# Altium PCB AIM2 REVB.PcbDoc (part 3 of 4)
Units mil, origin at the board's own origin, x right, y up, seen from the top; angles counter-clockwise.
Board outline 3797.01 x 3628.62 mil, 8 copper layers (TOP Copper, Internal Plane 2, Inner Layer 1, Internal Plane 4, Internal Plane 3, Inner Layer 2, Internal Plane 1, BOT Copper), stack 61.4 mil thick; 240 components, 185 nets, 1122 pads, 620 vias.
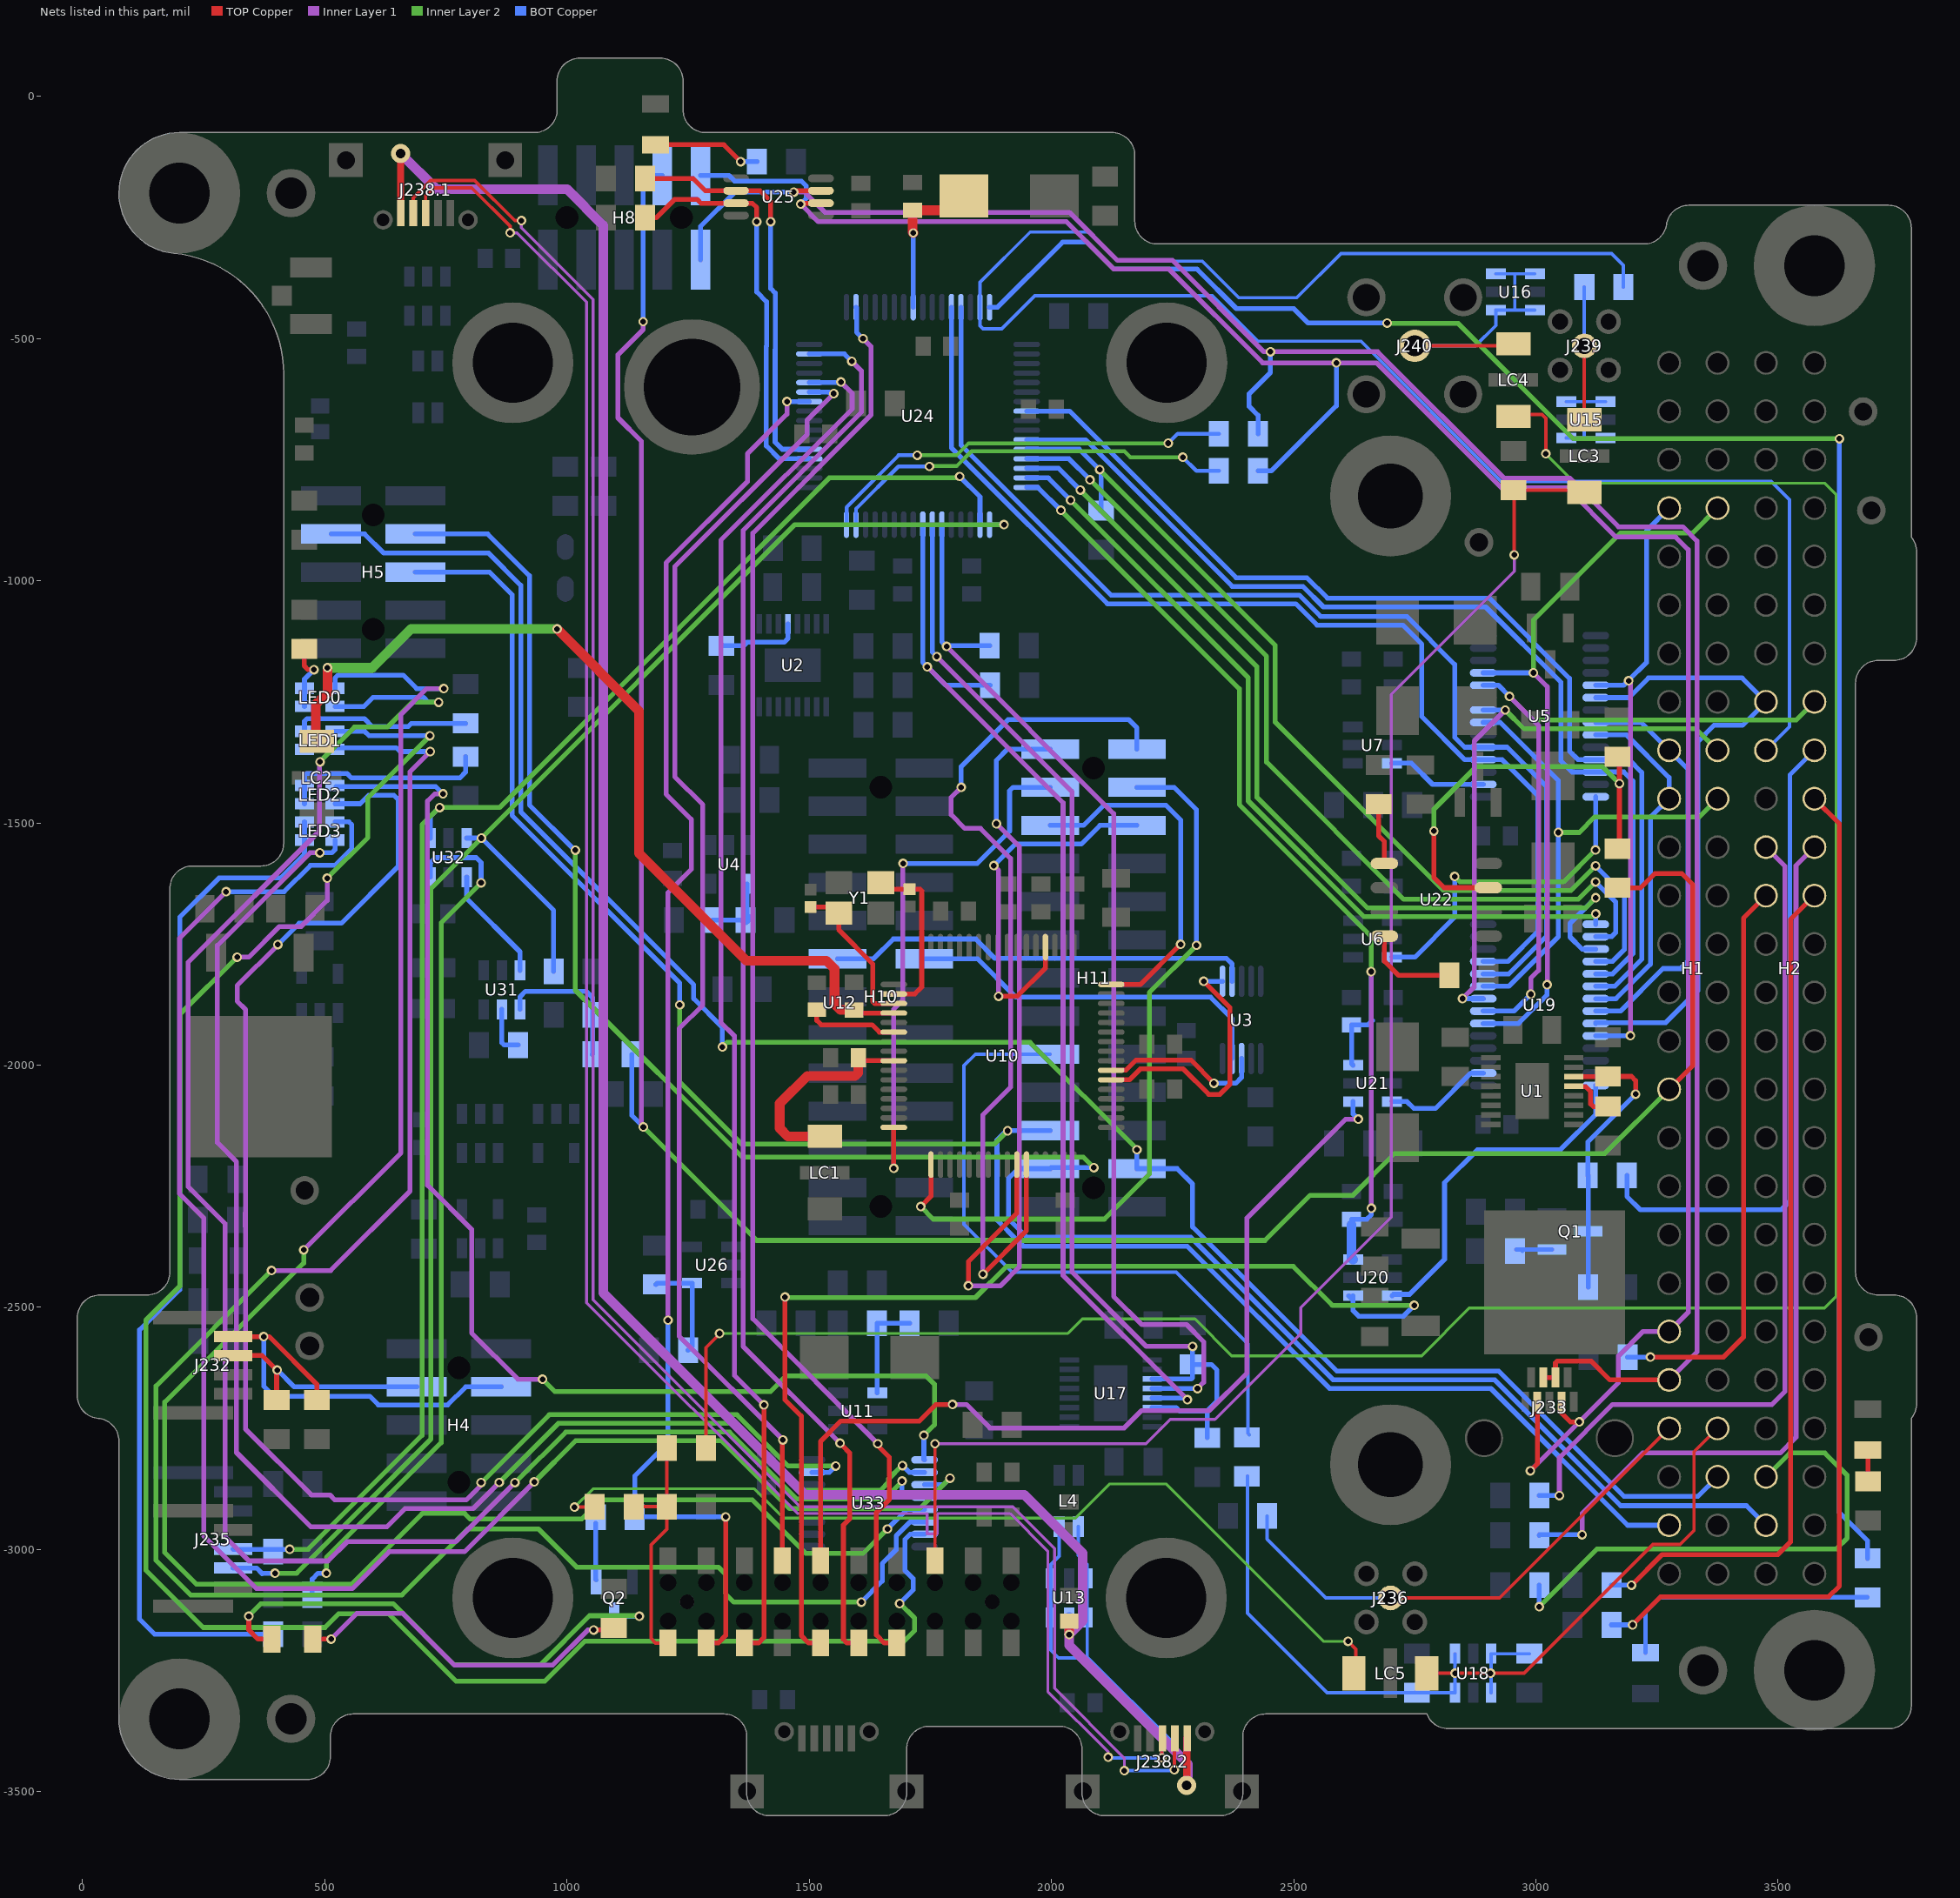
[diagram p9: the nets of this part, all layers, seen from the top]

## Via types
v1: diameter 19.68, hole 11.81, TOP Copper to BOT Copper, tented both sides, 337 vias
v2: diameter 30, hole 20, TOP Copper to BOT Copper, tented bottom, 144 vias
v3: diameter 39.37, hole 19.68, TOP Copper to BOT Copper, tented both sides, 83 vias
v4: diameter 30, hole 20, TOP Copper to BOT Copper, tented both sides, 56 vias

## Nets (pads, with @x,y where several pads share a name; then routed paths per layer and width w, separated by ;. In a path a pad name is that pad's centre, name@x,y a point inside that pad or via, vN(x,y) a via of type N, cw(c..) or ccw(c..) an arc to the next point about the centre after c; other vN are vias at no path point) (continued)
GPS_EVENT1: U12.9 U24.47 | length 2971.7
  TOP Copper w10: v1@1563.5,-2784.62 1567.5,-2784.62 1583.5,-2800.62 1583.5,-2936.62 1570.5,-2949.62 1570.5,-3185.62 1577.94,-3193.06 U12.9@1602.12,-3193.06
  Inner Layer 1 w10: v1(1563.5,-2780.62) 1363.35,-2580.46 1363.35,-896.23 1607.5,-652.08 1607.5,-566.5 v1(1588,-547)
  BOT Copper w10: U24.47@1500.09,-531.67 1572.67,-531.67 v1(1588,-547)
GPS_EVENT2: U12.7 U24.50 | length 3028.4
  TOP Copper w10: v1@1641.5,-2785.62 1665.5,-2809.62 1665.5,-2896.62 1638.5,-2923.62 1638.5,-3176.62 1654.94,-3193.06 U12.7@1680.82,-3193.06
  Inner Layer 1 w10: v1(1611,-500) 1627.5,-516.5 1627.5,-657.53 1383.5,-901.53 1383.5,-2523.62 v1(1641.5,-2781.62)
  BOT Copper w10: U24.50@1596.55,-435.21 1597.74,-436.4 1597.74,-486.74 v1(1611,-500)
GPS_MUX_A0: U19.17 U24.14 | length 1883.8
  Inner Layer 2 w10: v1(2059.5,-812.62) 2424,-1177.12 2424,-1447 2652.62,-1675.62 3102.5,-1675.62 v1(3123.5,-1654.62)
  BOT Copper w10: U24.14@1948.91,-767.89 2014.77,-767.89 v1(2059.5,-812.62) ; v1(3123.5,-1654.62) 3070.5,-1707.62 3070.5,-1735.62 3095.35,-1760.46 U19.17@3123.65,-1760.46
GPS_MUX_A1: U19.16 U24.13 | length 1860.2
  Inner Layer 2 w10: v1(2079.5,-791.62) 2444,-1156.12 2444,-1374.41 2727.21,-1657.62 3087.36,-1657.62 v1(3123.36,-1621.62)
  BOT Copper w10: U24.13@1948.91,-748.2 2036.09,-748.2 v1(2079.5,-791.62) ; v1(3123.36,-1621.62) 3164.5,-1662.76 3164.5,-1726.62 3156.5,-1734.62 3123.9,-1734.62 U19.16@3123.65,-1734.87
GPS_MUX_A2: U19.15 U24.15 | length 1723.2
  Inner Layer 2 w10: v1(2039.5,-833.62) 2406,-1200.12 2406,-1454.46 2645.17,-1693.62 3117.65,-1693.62 v1(3123.65,-1687.62)
  BOT Copper w10: U24.15@1948.91,-787.57 1993.46,-787.57 v1(2039.5,-833.62) ; U19.15@3123.65,-1709.28 v1(3123.65,-1687.62)
GPS_MUX_EN: R59.2 U19.18 U24.12 | length 2019
  Inner Layer 2 w10: v1(2099.5,-770.62) 2462,-1133.12 2462,-1292 2809.62,-1639.62 3072.22,-1639.62 v1(3123.22,-1588.62)
  BOT Copper w10: U24.12@1948.91,-728.52 2057.4,-728.52 v1(2099.5,-770.62) 2102.35,-773.46 2102.35,-853.42 R59.2@2100.5,-855.27 ; v1(3123.22,-1588.62) 3182.5,-1647.91 3182.5,-1761.62 3158.5,-1785.62 3124.08,-1785.62 U19.18@3123.65,-1786.05
GPS_RXD2: U12.15 U24.44 | length 2853
  TOP Copper w10: U12.15@1366.02,-3193.06 1395.07,-3193.06 1406.5,-3181.62 v1(1406.5,-2701.62)
  Inner Layer 1 w10: v1(1406.5,-2701.62) 1345.35,-2640.46 1345.35,-1939.35 1317.66,-1911.66 1317.66,-916.46 1588.5,-645.62 1588.5,-612.83 v1(1565.4,-589.72)
  BOT Copper w10: U24.44@1500.09,-590.72 v1@1557.4,-590.72
GPS_TXD2: U12.14 U24.43 | length 2727.4
  TOP Copper w10: U12.14@1444.72,-3023.06 1444.72,-2774.4 v1(1445.5,-2773.62)
  Inner Layer 1 w10: v1(1445.5,-2773.62) 1231.35,-2559.46 1231.35,-1924.65 1280.19,-1875.81 1280.19,-1462.31 1222.5,-1404.62 1222.5,-970.62 1495.5,-697.62 1495.5,-668.62 v1(1550.5,-613.62)
  BOT Copper w10: U24.43@1500.09,-610.41 1540.29,-610.41 v1@1546.5,-616.62
GPS_UART_EN: C40.2 C42.2 U20.6 U21.6 U24.16 | length 2171.8
  Inner Layer 1 w10: v1(2660,-1807) 2660.5,-1807.5 v1(2660.5,-2295.62)
  Inner Layer 2 w10: v1(2019.5,-854.62) 2388,-1223.12 2388,-1461.91 2660,-1733.91 v1(2660,-1807)
  BOT Copper w10: U24.16@1948.91,-807.26 1972.14,-807.26 v1(2019.5,-854.62) ; C40.2@2619.5,-2329.98 C40.2@2619.5,-2318.2 2650.93,-2318.2 2660.5,-2308.62 v1(2660.5,-2295.62) ; U21.6@2622.5,-2000.22 2619.5,-1997.22 C42.2@2619.5,-1917.2 2652.93,-1917.2 2662.5,-1907.62 2660,-1905.12 v1(2660,-1807)
  BOT Copper w20: C40.2@2619.5,-2329.98 2619.5,-2398.22 U20.6@2622.5,-2401.22
GPS_USB_D_N: J238.1.2 J238.2.2 L4.1 U13.3 U13.4 | length 5028.8
  TOP Copper w7: J238.1.2@682.41,-241 682.41,-209.5 718.29,-173.62 809.37,-173.62 892.11,-256.36 v1(905.77,-256.36) ; v1(2253.59,-3454.71) J238.2.2@2253.59,-3390
  Inner Layer 1 w6: v1(905.77,-256.36) 905.77,-270.72 1054.05,-419 1054.05,-2484.17 1481.5,-2911.62 1920.3,-2911.62 2006.5,-2997.82 2006.5,-3286.5 2150.5,-3430.5 v1(2150.5,-3456.62)
  BOT Copper w7: L4.1@2055.19,-2952.77 2055.19,-3011.9 2073.91,-3030.62 U13.3@2073.91,-3059.27 U13.4@2073.91,-3139.98 2073.91,-3222.22 2253.59,-3401.9 v1(2253.59,-3454.71) ; v1(2150.5,-3456.62) v1@2253.59,-3456.62
GPS_USB_D_P: J238.1.3 J238.2.3 L4.4 U13.1 U13.6 | length 5028.8
  TOP Copper w7: J238.1.3@708,-241 708,-205.13 724.5,-188.62 803.16,-188.62 882.5,-267.96 v1(882.5,-281.62) ; v1(2228,-3430.12) J238.2.3@2228,-3390
  Inner Layer 1 w6: v1(882.5,-281.62) 896.87,-281.62 1040.05,-424.8 1040.05,-2489.97 1040.5,-2490.42 1475.71,-2925.62 1712,-2925.62 1722.5,-2925.62 1743.5,-2925.62 1743.5,-2967.25 1764.5,-2967.25 1764.5,-2925.62 1772,-2925.62 1914.5,-2925.62 1992.5,-3003.62 1992.5,-3293.03 2117,-3417.52 v1(2117,-3429)
  BOT Copper w7: L4.4@2015.82,-2952.77 2015.82,-3013.9 1999.1,-3030.62 U13.1@1999.1,-3059.27 U13.6@1999.1,-3139.98 1999.1,-3208.22 2014.5,-3223.62 2054.1,-3223.62 2228,-3397.52 v1(2228,-3430.12) 2117,-3430.12 2115.12,-3430.12 2116.23,-3429 v1(2117,-3429)
IO.24: H2.24 R18.1 | length 1761.6
  TOP Copper w10: v1(3197.5,-3073.62) 3260.5,-3010.62 3499.5,-3010.62 3525.5,-2984.62 3525.5,-1699.5 H2.24@3575,-1650
  BOT Copper w10: R18.1@3155.86,-3073.62 v1(3197.5,-3073.62)
IO.25: H2.23 R19.1 | length 1186.2
  TOP Copper w10: v1@3237.5,-2602.62 3387.5,-2602.62 3428.5,-2561.62 3428.5,-1696.5 H2.23@3475,-1650
  BOT Copper w10: R19.1@3189.21,-2602.62 v1(3236.5,-2602.62)
IO.26: H2.22 R20.1 | length 1873.7
  Inner Layer 1 w10: v1(3095.5,-2969.62) 3095.5,-2925.62 3220.5,-2800.62 3504.5,-2800.62 3537,-2768.13 3537,-1588 H2.22@3575,-1550
  BOT Copper w10: R20.1@3006.86,-2970.62 3007.86,-2969.62 v1(3095.5,-2969.62)
IO.27: H2.21 R21.1 | length 1782
  Inner Layer 1 w10: v1(3048.5,-2888.62) 3048.5,-2810.47 3158.36,-2700.62 3487.38,-2700.62 3514,-2674 3514,-1589 H2.21@3475,-1550
  BOT Copper w10: R21.1@3006.86,-2888.62 v1(3048.5,-2888.62)
IO.28: H2.20 R22.1 | length 2150.7
  TOP Copper w10: v1(3199.5,-3155.62) 3257.5,-3097.62 3604.5,-3097.62 3626.5,-3075.62 3626.5,-1501.5 H2.20@3575,-1450
  BOT Copper w10: R22.1@3155.86,-3155.62 v1(3199.5,-3155.62)
IO.30: H2.18 R3.1 | length 1350.4
  BOT Copper w9: 3524.5,-1867.62 3524.5,-1400.5 H2.18@3575,-1350
  BOT Copper w10: R3.1@3187.86,-2227.62 3187.86,-2270.98 3215.5,-2298.62 3506.5,-2298.62 3524.5,-2280.62 3524.5,-1867.62
MCU_LED: R56.1 U24.64 | length 4314.8
  Inner Layer 2 w10: v1(2693,-468) 2693.54,-468.54 2839.42,-468.54 3077.5,-706.62 v1(3626.5,-706.62)
  BOT Copper w10: U24.64@1872.14,-435.21 1888.91,-435.21 2023.13,-301 2073.28,-301 2128.91,-356.62 2300.5,-356.62 2381.88,-438 2500,-438 2530,-468 v1(2693,-468) v1@2693,-469.13 ; v1(3626.5,-706.62) 3626.5,-2923.62 3684.5,-2981.62 R56.1@3684.5,-3018.27
MISO0: H2.49 H5.8 H11.24 | length 4483.6
  Inner Layer 2 w10: v1(1017,-1556) 1017,-1845.12 1361.88,-2190 2065.88,-2190 v1(2087.5,-2211.62)
  BOT Copper w10: H5.8@687,-903.26 836.14,-903.26 922.57,-989.68 922.57,-1462.99 1015.58,-1556 v1(1017,-1556) ; v1(2087.5,-2211.62) 1999.58,-2211.62 H11.24@1997.5,-2213.7 1931.43,-2213.7 1911.5,-2233.62 1911.5,-2317.62 1949.5,-2355.62 2287.59,-2355.62 2581.54,-2649.57 2915.05,-2649.57 3175.1,-2909.62 3434.62,-2909.62 H2.49@3475,-2950
MOSI0: H1.48 H5.7 H11.23 | length 4099.1
  Inner Layer 2 w10: v1(1320.5,-1962.62) 1330.13,-1953 1955.88,-1953 v1@2176.5,-2173.62
  BOT Copper w10: H5.7@513,-903.26 582.14,-903.26 621.5,-942.62 837.92,-942.62 904.57,-1009.27 904.57,-1476.99 1261.5,-1833.93 1261.5,-1862.62 1320.5,-1921.62 v1(1320.5,-1962.62) ; H11.23@2176.5,-2213.7 2259.58,-2213.7 2291.5,-2245.62 2291.5,-2334.08 2589,-2631.57 2923.05,-2631.57 3182.1,-2890.62 3334.38,-2890.62 H1.48@3375,-2850 ; H11.23@2176.5,-2213.7 v1(2176.5,-2174.62)
NetC15_2: C15.2 LC1.3 U10.9 | length 442
  TOP Copper w10: C15.2@1603.11,-1990.87 U10.9@1674.57,-1990.87
  TOP Copper w20: LC1.3@1532,-2147 1456,-2147 1439,-2130 1439,-2079 1495.69,-2022.31 1594.69,-2022.31 1601.08,-2015.92 C15.2@1601.08,-1984.62
NetC19_2: C19.2 LC2.3 U10.4 | length 1913
  TOP Copper w10: C19.2@1581.5,-1886.2 1587.76,-1892.45 U10.4@1674.57,-1892.45
  TOP Copper w20: LC2.3@489.5,-1333.76 481.5,-1325.76 481.5,-1254.8 505.35,-1230.96 505.35,-1179.78 v1(505.5,-1179.62) ; v1(979.5,-1099.62) 1148.66,-1268.78 1148.66,-1562.78 1370.5,-1784.62 1535.62,-1784.62 1552.21,-1801.21 1552.21,-1874.21 1564.2,-1886.2 C19.2@1581.5,-1886.2
  Inner Layer 2 w20: v1(505.5,-1179.62) 598.38,-1179.62 678.38,-1099.62 v1(979.5,-1099.62)
NetC29_2: C29.2 U10.2 Y1.1 | length 353.6
  TOP Copper w10: Y1.1@1647.81,-1623.13 1661.47,-1636.78 C29.2@1707,-1636.78 1728.78,-1636.78 1732.2,-1640.2 1732.2,-1838.8 1717.92,-1853.08 U10.2@1674.57,-1853.08
NetC30_2: C30.2 U10.3 Y1.3 | length 320.5
  TOP Copper w10: C30.2@1502.5,-1673.62 1548.7,-1673.62 Y1.3@1561.2,-1686.12 1561.2,-1721.2 1631,-1791 1631,-1868.57 1635.19,-1872.76 U10.3@1674.57,-1872.76
NetH2_47: H2.47 R17.2 | length 1076
  Inner Layer 2 w10: v1(3006.86,-3118.27) 3126.5,-2998.62 3620.5,-2998.62 3642.5,-2976.62 3642.5,-2846.62 3596.5,-2800.62 3524.38,-2800.62 H2.47@3475,-2850
  BOT Copper w10: v1(3006.86,-3118.27) R17.2@3006.86,-3073.62
NetJ238.1_1: J238.1.1 J238.2.1 L3.2 U13.5 | length 4768.4
  TOP Copper w15: v3(656.5,-117.62) 656.5,-240.69 J238.1.1@656.82,-241 ; v3(2279.18,-3486.94) J238.2.1@2279.18,-3390
  TOP Copper w20: v1(2036.5,-3175.62) L3.2@2036.5,-3151.77
  Inner Layer 1 w20: v3(656.5,-117.62) 730.5,-191.62 1000.1,-191.62 1075.05,-266.58 1075.05,-2470.44 1491.74,-2887.12 1944,-2887.12 2064.5,-3007.62 2064.5,-3147.62 v1(2036.5,-3175.62) 2036.5,-3197.62 2279.18,-3440.3 2279.18,-3440.92 2281.43,-3443.18 v3@2281.43,-3486.94
  BOT Copper w20: v1(2036.5,-3175.62) U13.5@2036.5,-3139.98
NetJP4_2: JP4.2 Q1.3 R1.1 R3.2 U1.6 | length 599.9
  TOP Copper w10: U1.6@3077.94,-2024.09 3148.26,-2024.09 JP4.2@3149,-2023.35 3197.35,-2023.35 3206,-2032 v1(3206,-2060)
  BOT Copper w10: R1.1@3108.15,-2458.62 3108.15,-2228.62 R3.2@3107.15,-2227.62 3107.15,-2158.85 v1(3206,-2060)
NetLED0_2: LED0.2 LED0.3 R81.1 | length 141.7
  TOP Copper w10: R81.1@457.5,-1140.98 457.5,-1175.62 465.5,-1183.62 v1(477.5,-1183.62)
  BOT Copper w10: LED0.2@458.01,-1259.32 LED0.3@458.01,-1221.92 458.01,-1203.12 v1(477.5,-1183.62)
NetLED1_2: LED1.2 LED1.3 R80.1 | length 402.8
  BOT Copper w10: LED1.2@458.01,-1348.32 LED1.3@458.01,-1310.92 458.01,-1290.12 463.5,-1284.62 581.5,-1284.62 598.17,-1301.29 671.84,-1301.29 678.8,-1294.33 R80.1@790.5,-1294.33
NetLED2_2: LED2.2 LED2.3 R78.1 | length 433.3
  BOT Copper w10: LED2.2@458.01,-1460.32 LED2.3@458.01,-1422.92 458.01,-1402.12 462.5,-1397.62 545.58,-1397.62 554.94,-1406.98 778.72,-1406.98 790.5,-1395.2 R78.1@790.5,-1363.27
NetLED3_2: LED3.2 LED3.3 R77.1 | length 2149.6
  BOT Copper w10: R77.1@393.15,-3174.62 148.5,-3174.62 117.5,-3143.62 117.5,-2546.62 200.59,-2463.53 200.59,-1694.53 281.5,-1613.62 408.5,-1613.62 458.01,-1564.12 LED3.2@458.01,-1535.32 LED3.3@458.01,-1497.92
NetLED5_1: LED5.1 R7.2 | length 64.4
  TOP Copper w10: R7.2@3685.5,-2859.27 LED5.1@3685.5,-2794.87
NetLED6_1: LED6.1 R30.2 | length 224.1
  TOP Copper w10: LED6.1@1182.5,-99.75 1323.63,-99.75 v1(1358.5,-134.62)
  BOT Copper w10: v1(1358.5,-134.62) R30.2@1392.15,-134.62
NetLED7_2: LED7.2 R56.2 | length 555.3
  BOT Copper w9: LED7.2@3226.5,-3213.5 3226.5,-3128.62 3256.5,-3098.62 R56.2@3684.5,-3098.62
NetLED9_1: LED9.1 Q2.3 | length 1043.6
  TOP Copper w10: v1(343,-3138) 343,-3166 362,-3185 LED9.1@390.87,-3185
  Inner Layer 2 w10: v1@345,-3135 368,-3112 641,-3112 767,-3238 945.16,-3238 1046.38,-3136.78 1147.86,-3136.78 v1(1149.1,-3138.02)
  BOT Copper w10: Q2.3@1097.5,-3138.02 v1(1149.1,-3138.02)
NetLED9_2: LED9.2 R32.1 | length 717.4
  TOP Copper w10: LED9.2@475.13,-3185 v1@509,-3185 ; v1(1055,-3166) 1088.2,-3166 1094.58,-3159.62 R32.1@1096.5,-3161.55
  Inner Layer 1 w10: v1(513,-3185) 566,-3132 661,-3132 768,-3239 970.13,-3239 1043.13,-3166 v1(1055,-3166)
  Inner Layer 2 w10: v1@1054.88,-3166 v1(1055,-3166)
NetQ1_1: Q1.1 R5.2 | length 77.9
  BOT Copper w9: R5.2@2959.86,-2380.62 R5.2@2974.86,-2380.62 ; R5.2@2971.86,-2383.62 R5.2@2974.86,-2380.62 ; Q1.1@3033.5,-2380.62 R5.2@2974.86,-2380.62
NetQ2_1: Q2.1 R33.2 | length 118
  BOT Copper w9: R33.2@1059.15,-2945.62 1059.15,-3062.27 Q2.1@1060.1,-3063.22
NetR6_2: R6.2 U1.5 | length 103.3
  TOP Copper w10: U1.5@3077.94,-2043.78 3078.87,-2044.71 3103.2,-2044.71 3113,-2054.51 3113,-2080 3118.65,-2085.65 R6.2@3149,-2085.65
NetR9_2: R9.2 U2.4 | length 173.2
  BOT Copper w10: R9.2@1319,-1134.21 1364.79,-1134.21 1372,-1127 1448.12,-1127 1456,-1119.12 U2.4@1456,-1089.13
NetR11_1: R11.1 R12.1 U4.4 | length 143.5
  BOT Copper w10: R11.1@1300.86,-1700.62 R12.1@1368.15,-1700.62 ; R12.1@1371.91,-1696.87 U4.4@1371.91,-1625.98
  BOT Copper w20: R12.1@1368.15,-1700.62 R12.1@1371.91,-1696.87
NetR25_2: R25.2 U10.6 | length 191.3
  TOP Copper w10: R25.2@1515.5,-1885.4 1515.5,-1907.62 1524.45,-1916.57 1629.45,-1916.57 1644.7,-1931.82 U10.6@1674.57,-1931.82
NetR28_2: R28.2 R29.1 U11.1 | length 211.4
  BOT Copper w10: U11.1@1640.21,-2676.62 1639.86,-2676.27 R28.2@1639.86,-2532.62 R29.1@1707.15,-2532.62
NetR50_2: R50.2 U22.8 | length 197.8
  TOP Copper w10: U22.8@2687.22,-1733.62 2687.22,-1785.34 2716.5,-1814.62 R50.2@2821.15,-1814.62
NetR61_1: R61.1 R62.1 U26.4 | length 217.9
  BOT Copper w10: R61.1@1183.5,-2452.98 1186.46,-2450.02 U26.4@1258.15,-2450.02 1258.15,-2525.62 1258.15,-2580.33 R62.1@1249.86,-2588.62
NetR70_1: R70.1 U31.5 | length 104.1
  BOT Copper w10: U31.5@865.5,-1884.98 865.5,-1953.62 870.5,-1958.62 R70.1@898.86,-1958.62
NetR71_1: R71.1 R72.1 U31.4 | length 303
  BOT Copper w10: U31.4@902.91,-1884.98 902.91,-1859.22 914.5,-1847.62 1039.5,-1847.62 1052.86,-1860.98 R72.1@1052.86,-1896.62 1052.86,-1976.91 R71.1@1052.15,-1977.62
NetR75_1: R75.1 U32.6 | length 1809.2
  Inner Layer 2 w10: v1(503,-3049) 503,-3016.58 740.05,-2779.53 740.05,-1706.08 v1(822.5,-1623.62)
  BOT Copper w10: R75.1@473.86,-3093.62 473.86,-3061.14 486,-3049 v1(503,-3049) ; U32.6@718.1,-1611.98 718.1,-1582.02 728.5,-1571.62 812.5,-1571.62 822.5,-1581.62 v1(822.5,-1623.62)
NetR83_1: R83.1 U24.31 | length 847.7
  Inner Layer 2 w8: v1(1748,-764) 1749.22,-762.78 1804.85,-762.78 1835.06,-732.57 2150.57,-732.57 2163,-745 v1(2271,-745)
  BOT Copper w8: U24.31@1596.55,-884.03 1596.55,-851.46 1684.02,-764 v1(1748,-764) ; v1(2271,-745) 2299,-773 R83.1@2345.65,-773
NetR84_1: R84.1 U24.32 | length 866.3
  Inner Layer 2 w8: v1(1723,-741) 1804,-741 1829,-716 v1@2240,-716
  BOT Copper w8: U24.32@1576.87,-884.03 1576.87,-848.52 1684.39,-741 v1(1723,-741) ; v1(2241,-716) 2260.68,-696.32 R84.1@2345.65,-696.32
NetU5_2: U5.2 U7.3 | length 206.6
  BOT Copper w10: U7.3@2702.86,-1376.67 2743.1,-1376.67 2786.8,-1420.37 U5.2@2891.36,-1420.37
NetU5_28: U5.28 U6.3 | length 679
  Inner Layer 2 w10: v1@2831.5,-1611.62 v1(2832.5,-1610.62) 2843.5,-1621.62 3057.08,-1621.62 v1(3123.08,-1555.62)
  BOT Copper w10: U6.3@2703.21,-1777.02 2750.1,-1777.02 2832.5,-1694.62 v1@2832.5,-1612.62 ; v1@3123.65,-1555.62 U5.28@3123.65,-1445.96
NetU12_11: U12.11 U20.4 | length 2302
  TOP Copper w10: v1(1450,-2479) 1450,-2691.12 1483.5,-2724.62 1483.5,-3177.62 1498.94,-3193.06 U12.11@1523.42,-3193.06
  Inner Layer 2 w10: v1(1450,-2479) 1451,-2480 1843,-2480 1907.63,-2415.37 2499.16,-2415.37 2579.78,-2496 v1(2749,-2496)
  BOT Copper w10: U20.4@2613.91,-2476.62 2617.91,-2480.62 U20.4@2622.5,-2476.02 2622.5,-2506.62 2634.5,-2518.62 2726.38,-2518.62 v1(2749,-2496)
NetU12_12: U12.12 U21.4 | length 1900.6
  TOP Copper w10: U12.12@1523.42,-3023.06 1523.42,-2776.7 1565.5,-2734.62 1727.5,-2734.62 1761.5,-2700.62 v1(1795.5,-2700.62)
  Inner Layer 1 w10: v1(1795.5,-2700.62) 1824.5,-2700.62 1872.88,-2749 2150.13,-2749 2185.66,-2713.46 2325.66,-2713.46 2403.5,-2635.62 2403.5,-2315.62 2607.5,-2111.62 v1(2633.5,-2111.62)
  BOT Copper w10: U21.4@2622.5,-2075.02 2622.5,-2100.62 v1(2633.5,-2111.62)
NetU19_2: U19.2 U21.3 | length 224.5
  BOT Copper w10: U21.3@2703.21,-2075.02 2733.68,-2075.02 2748.28,-2089.62 2792.5,-2089.62 2865.76,-2016.37 U19.2@2891.36,-2016.37
NetU19_28: U19.28 U20.3 | length 727.8
  BOT Copper w10: U20.3@2703.21,-2476.02 2706.08,-2473.16 2739.19,-2473.16 2811.5,-2400.85 2811.5,-2242.62 2879.5,-2174.62 3050.5,-2174.62 3123.65,-2101.48 U19.28@3123.65,-2041.96
O\N\: R47.2 R48.2 U22.3 | length 897.8
  TOP Copper w10: v1(2789.5,-1516.62) 2789.5,-1612.62 2810.5,-1633.62 U22.3@2901.79,-1633.62 U22.3@2895.95,-1639.46 ; R47.2@3168.5,-1553.27 3172.5,-1549.27 v1(3172.5,-1418.62) 3172.5,-1366.98 R48.2@3168.5,-1362.98
  Inner Layer 2 w10: v1(2789.5,-1516.62) 2789.5,-1471.62 2877.5,-1383.62 3137.5,-1383.62 v1(3172.5,-1418.62)
OFF: U31.3 U32.4 | length 237.9
  BOT Copper w10: U32.4@792.91,-1611.98 792.91,-1656.02 902.91,-1766.02 U31.3@902.91,-1804.27
OFF_VCC: H1.31 H8.7 R47.1 R71.2 | length 5157.2
  TOP Copper w10: R47.1@3173.5,-1633.98 3216.15,-1633.98 3245.5,-1604.62 3301.5,-1604.62 3323.5,-1626.62 3323.5,-2001.5 H1.31@3275,-2050
  Inner Layer 1 w10: v1(1157,-465) 1157,-481.35 1105,-533.35 1105,-663.37 1153.66,-712.04 1153.66,-2123.78 v1(1157.5,-2127.62)
  Inner Layer 2 w10: v1(1157.5,-2127.62) 1391.73,-2361.84 2440.78,-2361.84 2534,-2268.62 2622.5,-2268.62 2708.5,-2182.62 3142.38,-2182.62 H1.31@3275,-2050
  BOT Copper w10: R71.2@1133.5,-1977.62 1133.5,-2103.62 v1(1157.5,-2127.62) ; v1(1157,-465) 1157,-178 1172,-163 H8.7@1196.74,-163
"ON/SNS 3V3_GPS": R43.1 R44.2 U17.3 U17.6 U24.23 | length 2444
  Inner Layer 1 w10: v1(1763.5,-1156.62) 2042.05,-1435.17 2042.05,-2426.71 2195.96,-2580.62 v1(2291.5,-2580.62)
  BOT Copper w10: U24.23@1754.03,-884.03 1754.03,-1147.15 v1(1763.5,-1156.62) ; U17.6@2207.94,-2707.15 2257.5,-2707.15 2264.98,-2714.62 2319.82,-2714.62 2320.16,-2714.96 ; U17.3@2207.94,-2648.09 2288.89,-2648.09 2291.5,-2645.47 R43.1@2291.5,-2617.98 ; v1(2291.5,-2580.62) R43.1@2291.5,-2617.98 ; R44.2@2321.5,-2769.27 2321.5,-2716.31 2320.16,-2714.96 ; R43.1@2291.5,-2617.98 2329.86,-2617.98 2341.5,-2629.62 2341.5,-2693.62 2320.16,-2714.96
PGEC: J235.2 R74.2 U24.17 U32.3 | length 3556.1
  Inner Layer 2 w10: v1(397,-3049.04) 441.84,-3049.04 719.05,-2771.83 719.05,-1635.37 v1(823.15,-1531.27) 1470.39,-884.03 v1(1902.09,-884.03)
  BOT Copper w10: J235.2@310.68,-3038.26 359.14,-3038.26 370.5,-3049.62 371.09,-3049.04 v1(397,-3049.04) ; U32.3@792.91,-1531.27 v1(823.15,-1531.27) 972.15,-1680.27 R74.2@972.15,-1806.62 ; U24.17@1872.14,-884.03 v1(1902.09,-884.03)
PGED: J235.3 R73.1 U24.18 U32.1 | length 3350.2
  Inner Layer 2 w10: v1(427.5,-2999.62) 465.5,-2999.62 700.75,-2764.37 700.75,-1503.37 736.13,-1468 v1(737,-1468) 860.96,-1468 1230.34,-1098.62 1541.41,-787.55 1808.73,-787.55 v1@1810.5,-789.33
  BOT Copper w10: J235.3@310.68,-2998.89 311.41,-2999.62 v1(427.5,-2999.62) ; U32.1@718.1,-1531.27 718.1,-1486.02 736.13,-1468 v1(737,-1468) 741.13,-1468 v1@741.5,-1467.62 ; v1(1810.5,-784.62) 1852.46,-826.57 U24.18@1852.46,-884.03 U24.18@1851.5,-883.08
PPS: H1.46 LC5.3 R14.1 R15.2 R16.2 U18.1 U18.3 U18.4 U18.6 | length 1928.9
  TOP Copper w7: LC5.3@2770.37,-3255.62 LC5.3@2774.5,-3255.62 v1(2906.5,-3255.62) 2975.5,-3255.62 3241.5,-2989.62 3297.76,-2989.62 3326.5,-2960.88 3326.5,-2798.5 H1.46@3375,-2750
  BOT Copper w7: R14.1@2404.5,-2848.62 2404.5,-3131.62 2568.86,-3295.98 R16.2@2754.5,-3295.98 U18.3@2833.1,-3295.98 v1(2833.1,-3255.62) U18.4@2833.1,-3215.27 ; U18.1@2907.91,-3295.98 U18.6@2907.91,-3215.27 R15.2@2986.5,-3215.27
PPS_1: LC4.1 R36.2 | length 5080.7
  TOP Copper w7: R36.2@1286.86,-2790.62 1286.86,-2583.27 1315,-2555.13 v1(1315,-2554) ; LC4.1@2953.5,-656.49 3012.37,-656.49 3020.5,-664.62 v1(3020.5,-737.62)
  Inner Layer 2 w6: v1(1315,-2554) 2034,-2554 2063.84,-2524.16 2296.16,-2524.16 2372,-2600 2764.13,-2600 2862.5,-2501.62 3596.05,-2501.62 3619.5,-2478.17 3619.5,-821.62 3596.5,-798.62 3081.5,-798.62 v1(3020.5,-737.62)
PPS_2: LC5.1 R37.2 | length 1916.6
  TOP Copper w7: v1(1015.5,-2912.62) 1056.15,-2912.62 R37.2@1057.15,-2911.62 ; v1(2612.5,-3189.62) 2628.64,-3205.76 LC5.1@2628.64,-3255.62
  Inner Layer 2 w6: v1(1015.5,-2912.62) 1053.5,-2874.62 1386.5,-2874.62 1447.32,-2935.44 2049.69,-2935.44 2120.5,-2864.62 2236.38,-2864.62 2561.38,-3189.62 v1(2612.5,-3189.62)
PPS_ADCS: H11.18 R14.2 | length 1392.3
  BOT Copper w7: H11.18@1997.5,-1977.48 1843.14,-1977.48 1819.5,-2001.12 1819.5,-2328.39 1918.73,-2427.62 2257.5,-2427.62 2405.5,-2575.62 2405.5,-2760.08 R14.2@2408.6,-2763.17
PPS_CONN: J240.1 LC4.3 U16.1 U16.3 U16.4 U16.6 | length 656.8
  TOP Copper w7: J240.1@2750,-515 2953.26,-515 LC4.3@2953.5,-514.76
  BOT Copper w7: J240.1@2750,-515 2875.13,-515 2917.15,-472.98 U16.1@2917.15,-441.02 2956.5,-441.02 ; U16.3@2917.15,-366.22 2957.5,-366.22 ; U16.6@2997.86,-441.02 2956.5,-441.02 ; U16.4@2997.86,-366.22 2957.5,-366.22 ; 2956.5,-441.02 2956.5,-367.22 2957.5,-366.22
PPS_OUT: R36.1 R37.1 R38.2 U12.19 | length 513.8
  TOP Copper w7: R37.1@1137.86,-2911.62 R38.2@1206.15,-2911.62 ; R36.1@1206.15,-2790.62 R38.2@1206.15,-2911.62 ; U12.19@1208.62,-3193.06 1182.94,-3193.06 1173.5,-3183.62 1173.5,-2990.62 1206.15,-2957.98 R38.2@1206.15,-2911.62
RX0_LED: LED0.4 U33.5 | length 4065.1
  Inner Layer 1 w10: v1(456.5,-2381.5) 657,-2181 657,-1276 710.38,-1222.62 v1(745.5,-1222.62)
  Inner Layer 2 w10: v1(456.5,-2381.5) 456.5,-2408.63 169.5,-2695.62 169.5,-3006.5 235,-3072 555,-3072 701.38,-2925.62 788.5,-2925.62 799.5,-2936.62 1030.5,-2936.62 1069.5,-2897.62 1382.5,-2897.62 1492.5,-3007.62 1611.5,-3007.62 v1(1661.5,-2957.62)
  BOT Copper w10: LED0.4@521,-1221.92 521,-1201.13 527.5,-1194.62 661.5,-1194.62 689.5,-1222.62 v1(745.5,-1222.62) ; v1@1658.5,-2956.62 1662.5,-2956.62 1701.71,-2917.42 U33.5@1738,-2917.42
RX1_LED: LED1.4 U33.7 | length 4219.8
  Inner Layer 1 w10: v1(319,-1777) 343,-1777 406,-1714 451,-1714 505,-1660 v1(505,-1614)
  Inner Layer 2 w10: v1(319,-1777) 200.59,-1895.41 200.59,-2456.53 130.5,-2526.62 130.5,-3042.62 248.88,-3161 500.46,-3161 528.84,-3132.62 631.62,-3132.62 771,-3272 954,-3272 1036.38,-3189.62 1695.5,-3189.62 1717.5,-3167.62 1717.5,-3141.69 1687.44,-3111.62 v1(1686.5,-3111.62) ; v1(505,-1614) 589,-1530 589,-1448 v1(717,-1320)
  BOT Copper w10: LED1.4@521,-1310.92 582.35,-1310.92 591.43,-1320 v1(717,-1320) ; v1(1686.5,-3111.62) 1714.5,-3083.62 1714.5,-3059.94 1697.44,-3042.88 1697.44,-2979.44 1708.29,-2968.6 U33.7@1738,-2968.6
RX2_LED: LED2.4 U33.1 | length 2592.9
  Inner Layer 1 w10: v1(744,-1440) 727,-1440 712,-1455 712,-2248 803,-2339 803,-2553.12 898.5,-2648.62 v1(949.5,-2648.62)
  Inner Layer 2 w10: v1(949.5,-2648.62) 974.5,-2673.62 1420.5,-2673.62 1452.5,-2641.62 1741.5,-2641.62 1758.5,-2658.62 1758.5,-2742.62 v1(1736.68,-2764.45)
  BOT Copper w10: LED2.4@523.06,-1424.98 728.98,-1424.98 v1(744,-1440) ; v1(1736.68,-2764.45) 1736.68,-2813.73 U33.1@1738,-2815.05
RX3_LED: LED3.4 U33.3 | length 3627
  Inner Layer 1 w10: v1(296,-1642) 200.05,-1737.95 200.05,-2265.66 250.5,-2316.11 250.5,-2972.4 359.11,-3081 556.43,-3081 632.81,-3004.62 788.22,-3004.62 v1@932.22,-2860.62
  Inner Layer 2 w10: v1(932.5,-2860.62) 1017.5,-2775.62 1319.5,-2775.62 1459.5,-2915.62 1727.5,-2915.62 v1(1790.5,-2852.62)
  BOT Copper w10: v1(296,-1642) 416,-1642 470.38,-1587.62 520.55,-1587.62 555.65,-1552.52 555.65,-1503.77 549.8,-1497.92 LED3.4@521,-1497.92 ; U33.3@1738,-2866.24 1776.89,-2866.24 v1(1790.5,-2852.62)
RXD0: H10.12 U3.2 | length 888.4
  BOT Copper w10: H10.12@1558.5,-1780.26 1632.87,-1780.26 1673.5,-1739.62 1843.5,-1739.62 1883.5,-1779.62 2361.5,-1779.62 2372.82,-1790.94 U3.2@2372.82,-1826.9
RXD1: H11.6 U10.48 | length 731.6
  TOP Copper w10: U10.48@2123.39,-1833.39 2183.73,-1833.39 v1@2265.5,-1751.62
  BOT Copper w10: H11.6@1997.5,-1505.04 2066.09,-1505.04 2107.5,-1463.62 2236.5,-1463.62 2266.5,-1493.62 v1(2266.5,-1750.62)
RXD2: H11.4 U10.16 | length 1139.1
  TOP Copper w10: v1(1674.57,-2213) U10.16@1674.57,-2128.67
  Inner Layer 1 w10: v1(1674.57,-2213) 1674.57,-1884.43 1693,-1866 v1@1693,-1583.62
  BOT Copper w10: v1(1693.7,-1583.62) 1846.73,-1583.62 1913.5,-1516.85 1913.5,-1433.62 1920.83,-1426.3 H11.4@1997.5,-1426.3
RXD3: H11.2 U10.26 | length 1598.8
  TOP Copper w10: v1(1828.5,-2455.62) 1828.5,-2405.5 1928.5,-2305.5 U10.26@1928.5,-2205.44
  Inner Layer 1 w10: v1(1828.5,-2455.62) 1894.5,-2455.62 1933.5,-2416.62 1933.5,-1548.62 v1(1886.5,-1501.62)
  BOT Copper w10: v1(1886.5,-1501.62) 1886.5,-1370.62 1909.57,-1347.56 H11.2@1997.5,-1347.56
RXD_0: U3.1 U10.38 | length 559.2
  TOP Copper w10: U10.38@2123.39,-2030.24 2160.88,-2030.24 2183.55,-2007.57 2271.57,-2007.57 2324.46,-2060.46 2347.66,-2060.46 2368.5,-2039.62 2368.5,-1881.17 v1(2314.23,-1826.9)
  BOT Copper w10: v1(2314.23,-1826.9) U3.1@2353.13,-1826.9
SCL_LOC: R55.1 U24.37 U25.2 | length 856.9
  TOP Copper w10: R55.1@1160.86,-169.62 1260.5,-169.62 1285.71,-194.83 U25.2@1348.91,-194.83 1398.71,-194.83 1420.5,-216.62 v1(1420.5,-258.62)
  BOT Copper w10: v1(1420.5,-258.62) 1420.5,-396.62 1429.84,-405.96 1429.84,-522.92 1429.5,-523.26 1429.5,-713.62 1444.4,-728.52 U24.37@1500.09,-728.52
SCL_SYS: H1.43 H8.10 J233.7 J233.8 R84.2 U25.7 | length 4767.7
  TOP Copper w10: v1@1467.9,-194.83 U25.7@1524.1,-194.83 ; J233.7@3015.5,-2644.8 J233.8@3040.5,-2644.8 3040.5,-2614.78 3044.23,-2611.05 3113.94,-2611.05 3152.88,-2650 H1.43@3275,-2650
  Inner Layer 1 w10: v1(1467.9,-197.67) 1490.67,-197.67 1532.62,-239.62 2037.36,-239.62 2136.36,-338.62 2250.08,-338.62 2438.46,-527 v1(2452,-527) 2673.34,-527 2934.96,-788.62 3070.5,-788.62 3170.5,-888.62 3303.5,-888.62 3332.5,-917.62 3332.5,-2592.5 H1.43@3275,-2650
  BOT Copper w10: H8.10@1275.48,-337 1275.48,-268.65 1346.46,-197.67 v1(1467.9,-197.67) ; R84.2@2426.35,-696.32 2426.35,-658.35 2408,-640 2408,-614 2452,-570 v1(2452,-527)
SCLK0: H1.49 H5.6 H11.22 | length 4041.9
  Inner Layer 2 w10: v1(1232.5,-1875.62) 1232.5,-2035.17 1360.34,-2163 1882.13,-2163 v1(1909.5,-2135.62)
  BOT Copper w10: H5.6@687,-982 839.82,-982 886.57,-1028.74 886.57,-1484.44 1232.5,-1830.38 v1(1232.5,-1875.62) ; H11.22@1997.5,-2134.96 1907.17,-2134.96 1887.5,-2154.62 1887.5,-2320.03 1930.1,-2362.62 1931.05,-2362.62 1942.05,-2373.62 2280.14,-2373.62 2574.09,-2667.57 2907.05,-2667.57 3189.48,-2950 H1.49@3275,-2950
SDA_LOC: R54.1 U24.36 U25.3 | length 853.6
  TOP Copper w10: R54.1@1160.86,-250.62 1183.98,-250.62 1221.98,-212.62 1268.5,-212.62 1276.3,-220.42 U25.3@1348.91,-220.42 1382.3,-220.42 1391.5,-229.62 v1(1391.5,-258.62)
  BOT Copper w10: v1(1391.5,-258.62) 1391.5,-403.62 1411.84,-423.96 1411.84,-515.46 1411.5,-515.8 1411.5,-721.62 1438.09,-748.2 U24.36@1500.09,-748.2
SDA_SYS: H1.41 H8.9 J233.2 J233.4 R83.2 U25.6 | length 5030
  TOP Copper w10: v1@1482.3,-220.42 U25.6@1524.1,-220.42 ; v1(2988.5,-2837.62) 3003,-2823.13 J233.2@3003,-2694.8 ; J233.4@3053,-2694.8 3053,-2718.31 3071.31,-2736.62 v1(3089.5,-2736.62)
  Inner Layer 1 w10: v1(1482.3,-222.42) 1518.45,-258.57 2030.86,-258.57 2128.91,-356.62 2242.62,-356.62 2436,-550 v1(2588,-550) 2670.88,-550 2928.5,-807.62 3063.5,-807.62 3165.5,-909.62 3288.5,-909.62 3314.5,-935.62 3314.5,-2510.5 H1.41@3275,-2550 3221.13,-2550 3170.5,-2600.62 3170.5,-2655.62 v1(3089.5,-2736.62) v1(2988.5,-2837.62)
  BOT Copper w10: H8.9@1275.48,-163 1333.88,-163 1345.71,-174.83 1483.71,-174.83 1493.5,-184.62 1493.5,-211.21 v1(1482.3,-222.42) ; R83.2@2426.35,-773 2454,-773 2588,-639 v1(2588,-550)
SET: R49.2 U22.5 | length 127.5
  TOP Copper w10: R49.2@2675.5,-1460.98 2675.5,-1526.62 2687.22,-1538.34 U22.5@2687.22,-1583.62
SIM_RXD0: H4.3 J232.1 R24.2 | length 870.4
  TOP Copper w10: J232.1@310.68,-2560.37 v1(373.76,-2560.37) 385.25,-2560.37 483.5,-2658.62 R24.2@483.5,-2691.27
  BOT Copper w10: v1(373.76,-2560.37) 373.76,-2662.87 394.5,-2683.62 592.5,-2683.62 610.5,-2701.62 753.5,-2701.62 790.87,-2664.26 H4.3@864,-2664.26
SIM_TXD0: H4.4 J232.2 R23.1 | length 471.6
  TOP Copper w10: J232.2@310.68,-2599.74 370.62,-2599.74 v1@400.5,-2629.62 ; R23.1@400.5,-2691.27 v1@400.5,-2629.62 ; v1@400.5,-2629.62 400.5,-2627.86 401.5,-2628.86 v1(401.5,-2629.62) v1@400.5,-2629.62
  BOT Copper w10: v1(401.5,-2629.62) 402.27,-2629.62 436.91,-2664.26 H4.4@690,-2664.26
SNS_CLIM1_3V3: R45.2 U17.4 U24.22 | length 2250.3
  Inner Layer 1 w10: v1(1783.5,-1135.62) 2128.5,-1480.62 2128.5,-2477.62 2186.5,-2535.62 2278.81,-2535.62 2314.35,-2571.16 2314.35,-2654.94 v1(2301.5,-2667.78)
  BOT Copper w10: U24.22@1773.72,-884.03 1773.72,-1125.83 v1(1783.5,-1135.62) 1784.91,-1134.22 R45.2@1872.6,-1134.22 ; U17.4@2207.94,-2667.78 v1(2301.5,-2667.78)
SNS_CLIM2_3V3: R46.2 U17.5 U24.24 | length 2250.8
  Inner Layer 1 w10: v1(1743.5,-1177.62) 2024.05,-1458.17 2024.05,-2434.17 v1(2280.5,-2690.62)
  BOT Copper w10: U24.24@1734.35,-884.03 1734.35,-1168.46 v1(1743.5,-1177.62) 1781.5,-1215.62 R46.2@1873.15,-1215.62 ; U17.5@2207.94,-2687.46 v1@2280.5,-2687.46
SNS_PV: R33.1 U12.17 U24.42 | length 3010.4
  TOP Copper w10: U12.17@1287.32,-3193.06 1312.07,-3193.06 1327.5,-3177.62 v1(1327.5,-2932.62)
  Inner Layer 1 w10: v1(1208.5,-2526.62) 1208.5,-1643.62 1256.5,-1595.62 1256.5,-1492.62 1204.5,-1440.62 1204.5,-963.17 1372.5,-795.17 1372.5,-737.62 1454.03,-656.09 v1(1454.03,-630.09)
  BOT Copper w10: R33.1@1131.5,-2932.62 R33.1@1139.86,-2932.62 ; R33.1@1139.86,-2933.62 R33.1@1139.86,-2932.62 ; v1(1208.5,-2526.62) 1208.5,-2779.62 1139.86,-2848.27 R33.1@1139.86,-2932.62 ; v1(1327.5,-2932.62) R33.1@1139.86,-2932.62 ; v1(1454.03,-630.09) U24.42@1500.09,-630.09
SUP_RX1: U5.25 U19.20 U24.8 | length 2170.3
  BOT Copper w10: U24.8@1948.91,-649.78 2037.26,-649.78 2381.05,-993.57 2527.19,-993.57 2569.56,-1035.94 2903.83,-1035.94 3069.5,-1201.62 3069.5,-1351.62 3087.07,-1369.19 U5.25@3123.65,-1369.19 3192.07,-1369.19 3218.5,-1395.62 3218.5,-1781.62 3162.89,-1837.24 U19.20@3123.65,-1837.24
SUP_RX2: U5.26 U19.19 U24.11 | length 2089
  BOT Copper w10: U24.11@1948.91,-708.83 2070.31,-708.83 2373.05,-1011.57 2518.96,-1011.57 2561.33,-1053.94 2896.37,-1053.94 3051.5,-1209.08 3051.5,-1371.62 3074.66,-1394.78 U5.26@3123.65,-1394.78 3181.66,-1394.78 3200.5,-1413.62 3200.5,-1769.62 3158.48,-1811.65 U19.19@3123.65,-1811.65
SUP_TX1: U5.5 U19.10 U24.61 | length 2345.7
  BOT Copper w10: U24.61@1813.09,-435.21 1813.09,-719.65 2123,-1029.57 2511.51,-1029.57 2555.56,-1073.62 2733.5,-1073.62 2832.5,-1172.62 2832.5,-1323.17 2852.94,-1343.6 U5.5@2891.36,-1343.6 2940.48,-1343.6 3022.54,-1425.66 3022.54,-1733.13 2944.02,-1811.65 U19.10@2891.36,-1811.65
SUP_TX2: U5.4 U19.11 U24.60 | length 2305.5
  BOT Copper w10: U24.60@1793.4,-435.21 1793.4,-725.43 2115.6,-1047.62 2504.1,-1047.62 2548.1,-1091.62 2725.1,-1091.62 2764.5,-1131.03 2764.5,-1280.62 2853.07,-1369.19 U5.4@2891.36,-1369.19 2930.07,-1369.19 3004.54,-1443.66 3004.54,-1723.58 2942.07,-1786.05 U19.11@2891.36,-1786.05
SYNC: H1.45 J236.1 R51.1 | length 1073.3
  TOP Copper w7: J236.1@2700,-3100 2925,-3100 H1.45@3275,-2750
  BOT Copper w7: R51.1@2444.86,-2930.62 2444.86,-2978.38 2566.48,-3100 J236.1@2700,-3100
TX0_LED: LED0.1 U33.4 | length 3935.2
  Inner Layer 1 w10: v1@489,-1374 489,-1516.46 218.05,-1787.41 218.05,-2251.05 294.5,-2327.5 294.5,-2974.62 343.5,-3023.62 506.5,-3023.62 546.5,-2983.62 770.5,-2983.62 v1(892.5,-2861.62)
  Inner Layer 2 w10: v1@489,-1374 561,-1302 629,-1302 680,-1251 v1(735,-1251) ; v1@896.5,-2858.62 997.5,-2757.62 1335.59,-2757.62 1473.59,-2895.62 1654.96,-2895.62 v1@1691.5,-2859.08
  BOT Copper w10: LED0.1@521,-1259.32 580.8,-1259.32 599.5,-1240.62 703.62,-1240.62 714,-1251 v1(735,-1251) ; v1(1691.5,-2858.62) 1691.5,-2880.62 1702.71,-2891.83 U33.4@1738,-2891.83
  other v1: 490,-1374
TX1_LED: LED1.1 U33.6 | length 4040.7
  Inner Layer 1 w10: v1(390,-2424) 512,-2424 676,-2260 676,-1394.13 v1(717.5,-1352.62)
  Inner Layer 2 w10: v1(390,-2424) 151.5,-2662.5 151.5,-3022.5 223,-3094 659.13,-3094 795.5,-2957.62 940.78,-2957.62 1019.78,-3036.62 1312.5,-3036.62 1327.5,-3051.62 1327.5,-3091.62 1344.5,-3108.62 v1(1607.5,-3108.62)
  BOT Copper w10: LED1.1@521,-1344.62 647.47,-1344.62 655.47,-1352.62 v1(717.5,-1352.62) ; v1(1607.5,-3108.62) 1650.82,-3065.3 1650.82,-3029.3 1679.44,-3000.68 1679.44,-2971.99 1708.42,-2943.01 U33.6@1738,-2943.01
TX2_LED: LED2.1 U33.15 | length 3090.7
  Inner Layer 1 w10: v1(403,-1751) 403,-1752 319,-1836 319,-1868 336.28,-1885.28 336.28,-2305.62 335.82,-2306.08 335.82,-2333.16 336.28,-2333.62 336.28,-2751.4 472.35,-2887.46 510.57,-2887.46 520.73,-2897.62 792,-2897.62 822.5,-2867.12 v1(822.5,-2861.62)
  Inner Layer 2 w10: v1@822.5,-2862.62 963.5,-2721.62 1350.5,-2721.62 1456.5,-2827.62 v1(1554.5,-2827.62)
  BOT Copper w10: v1(403,-1751) 447,-1707 534,-1707 651.5,-1589.5 651.5,-1451.62 642.87,-1442.98 590.14,-1442.98 572.8,-1460.32 LED2.1@521,-1460.32 ; U33.15@1505.72,-2840.65 1541.48,-2840.65 v1(1554.5,-2827.62)
TX3_LED: LED3.1 U33.2 | length 3068.4
  Inner Layer 1 w10: v1(489.5,-1561.62) 469.29,-1561.62 278.05,-1752.86 278.05,-2160.05 317.5,-2199.5 317.5,-2799.62 470.72,-2952.83 628.29,-2952.83 665.5,-2915.62 806,-2915.62 v1(860.05,-2861.57)
  Inner Layer 2 w10: v1(860.05,-2861.57) 982,-2739.62 1343.05,-2739.62 1481.05,-2877.62 1647.5,-2877.62 1663.5,-2861.62 1663.5,-2854.32 1691.2,-2826.62 v1(1692.5,-2826.62)
  BOT Copper w10: v1(489.5,-1561.62) 514.5,-1561.62 521,-1555.13 LED3.1@521,-1535.32 ; v1(1692.5,-2826.62) 1706.53,-2840.65 U33.2@1738,-2840.65
TXD0: H10.11 U3.9 | length 769
  BOT Copper w10: H10.11@1737.5,-1780.26 1847.26,-1780.26 1926.62,-1859.62 2328.5,-1859.62 2372.82,-1903.94 U3.9@2372.82,-1986.35
TXD1: H11.5 U10.52 | length 767.7
  TOP Copper w10: v1(1891,-1858) 1929,-1858 1987.56,-1799.44 U10.52@1987.56,-1756.62 U10.52@1987.56,-1756.62
  Inner Layer 1 w10: v1(1881,-1588) 1890.84,-1597.84 v1@1890.84,-1858
  BOT Copper w10: v1(1881,-1588) 1925.38,-1543.62 2061.5,-1543.62 2100.09,-1505.04 H11.5@2176.5,-1505.04
TXD2: H11.3 U10.17 | length 1551.6
  TOP Copper w10: v1(1730,-2292) 1751.34,-2270.66 U10.17@1751.34,-2205.44
  Inner Layer 2 w10: v1(1730,-2292) 1755.84,-2317.84 2109.28,-2317.84 2202,-2225.13 2202,-1850.13 v1(2299.5,-1752.62)
  BOT Copper w10: H11.3@2176.5,-1426.3 2253.18,-1426.3 2299.5,-1472.62 v1(2299.5,-1752.62)
TXD3: H11.1 U10.27 | length 1867.2
  TOP Copper w10: v1(1858.5,-2431.62) 1948.19,-2341.94 U10.27@1948.19,-2205.44
  Inner Layer 1 w10: v1(1813.5,-1426.62) 1793,-1447.13 1793,-1483 1821.35,-1511.35 1853.62,-1511.35 1915.5,-1573.23 1915.5,-2045.5 1858.5,-2102.5 v1(1858.5,-2431.62)
  BOT Copper w10: v1(1813.5,-1426.62) 1813.5,-1383.62 1910.5,-1286.62 2159.5,-1286.62 2176.5,-1303.62 H11.1@2176.5,-1347.56
TXD_0: U3.8 U10.39 | length 342.1
  TOP Copper w10: U10.39@2123.39,-2010.56 2153.57,-2010.56 2174.55,-1989.57 2287.68,-1989.57 2335.5,-2037.4 v1(2335.5,-2037.62)
  BOT Copper w10: v1(2335.5,-2037.62) 2380.5,-2037.62 2392.5,-2025.62 U3.8@2392.5,-1986.35
URX0: H1.19 U5.23 U19.21 | length 731.7
  BOT Copper w10: U19.21@3123.65,-1862.83 3165.3,-1862.83 3236.5,-1791.62 3236.5,-1488.5 H1.19@3275,-1450 3275,-1406.12 3186.89,-1318.01 U5.23@3123.65,-1318.01
URX1: H1.17 U5.22 U19.22 | length 859.2
  BOT Copper w10: U19.22@3123.65,-1888.42 3174.71,-1888.42 3262.5,-1800.62 3298.5,-1800.62 3313.5,-1785.62 3313.5,-1388.5 H1.17@3275,-1350 3217.42,-1292.42 U5.22@3123.65,-1292.42
URX2: H1.7 U5.19 U19.24 | length 1267.3
  Inner Layer 1 w10: v1@3191.48,-1207.6 3195.35,-1211.46 3195.35,-1938.65 v1(3195,-1939)
  BOT Copper w10: U19.24@3123.65,-1939.6 v1@3195,-1939.6 ; U5.19@3123.65,-1215.65 3181.48,-1215.65 3190.5,-1206.62 v1(3191.5,-1206.62) 3191.5,-1205.62 3228.5,-1168.62 3228.5,-896.5 H1.7@3275,-850
URX3: H2.15 U5.20 U19.23 | length 1317.1
  BOT Copper w10: U19.23@3123.65,-1914.01 3123.65,-1912.39 3267.73,-1912.39 3334.5,-1845.62 3334.5,-1331.62 3367.5,-1298.62 3426.38,-1298.62 H2.15@3475,-1250 3425.62,-1200.62 3232.5,-1200.62 3191.89,-1241.24 U5.20@3123.65,-1241.24
UTX0: H1.20 U5.7 U19.9 | length 1081.9
  Inner Layer 2 w10: v1(3046.5,-1519.62) 3089.5,-1519.62 3121.52,-1487.61 3337.39,-1487.61 H1.20@3375,-1450
  BOT Copper w10: U19.9@2891.36,-1837.24 2943.89,-1837.24 3046.5,-1734.62 v1(3046.5,-1519.62) 3046.5,-1412.62 2926.3,-1292.42 U5.7@2891.36,-1292.42
UTX1: H1.18 U5.8 U19.8 | length 1193.4
  Inner Layer 1 w10: v1(2848.5,-1862.62) 2873,-1838.13 2873,-1330.54 v1(2936.71,-1266.83)
  Inner Layer 2 w10: v1(2936.71,-1266.83) 2975.5,-1305.62 3330.62,-1305.62 H1.18@3375,-1350
  BOT Copper w10: v1(2848.5,-1862.62) 2891.16,-1862.62 U19.8@2891.36,-1862.83 ; U5.8@2891.36,-1266.83 v1(2936.71,-1266.83)
UTX2: H1.8 U5.11 U19.6 | length 1521.3
  Inner Layer 1 w10: v1(2994.94,-1190.05) 3023.66,-1218.78 v1@3023.66,-1834
  Inner Layer 2 w10: v1(2994.94,-1190.05) 2994.94,-1081.19 3174.5,-901.62 3323.38,-901.62 H1.8@3375,-850
  BOT Copper w10: U19.6@2891.36,-1914.01 2964.12,-1914.01 3023,-1855.13 v1(3023,-1834) ; U5.11@2891.36,-1190.05 v1(2994.94,-1190.05)
UTX3: H2.16 U5.10 U19.7 | length 1488.2
  Inner Layer 1 w10: v1(2945.5,-1238.62) 3005.66,-1298.78 3005.66,-1804.34 2989.5,-1820.5 v1(2989.5,-1853.62)
  Inner Layer 2 w10: v1(2945.5,-1238.62) 2994.5,-1287.62 3537.38,-1287.62 H2.16@3575,-1250
  BOT Copper w10: U19.7@2891.36,-1888.42 2954.71,-1888.42 v1(2989.5,-1853.62) ; U5.10@2891.36,-1215.65 2922.53,-1215.65 v1(2945.5,-1238.62)
VARF: H2.17 R34.2 U24.63 | length 4023.4
  BOT Copper w7: R34.2@3180.86,-393.62 3180.86,-348.98 3156.5,-324.62 2597.5,-324.62 2506.5,-415.62 2386.5,-415.62 2311,-340.12 2139.12,-340.12 2079,-280 1956.13,-280 1852.46,-383.67 U24.63@1852.46,-435.21 1852.46,-473.57 1858.5,-479.62 1897.46,-479.62 1965.46,-411.62 2332.17,-411.62 2425.92,-505.37 2639.25,-505.37 2928.5,-794.62 3485.5,-794.62 3523.5,-832.62 3523.5,-1301.5 H2.17@3475,-1350
VARF_CONN: J239.1 LC3.3 R34.1 U15.1 U15.3 U15.4 U15.6 | length 605.7
  TOP Copper w7: J239.1@3100,-515 3100,-646.12 LC3.3@3100.5,-646.62
  BOT Copper w7: U15.1@3063.15,-705.02 3102.5,-705.02 ; U15.3@3063.15,-630.22 3100,-630.22 ; R34.1@3100.15,-393.62 3100,-393.77 J239.1@3100,-515 3100,-630.22 ; U15.6@3143.86,-705.02 3102.5,-705.02 ; U15.4@3143.86,-630.22 3100,-630.22 ; 3100,-630.22 3100,-702.52 3102.5,-705.02
VARF_OUT: LC3.1 R35.2 U12.6 | length 3164.7
  TOP Copper w7: U12.6@1759.52,-3023.06 v1(1759.52,-2781.64) v1@1759.52,-2779.64 ; v1(2955.5,-946.62) 2955.5,-814.98 R35.2@2953.5,-812.98 3100.13,-812.98 LC3.1@3100.5,-813.35
  Inner Layer 1 w6: v1(1759.52,-2781.64) 2195.49,-2781.64 2245.5,-2731.62 2337.5,-2731.62 2514.5,-2554.62 2514.5,-2500.62 2701.5,-2313.62 2701.5,-1234.62 2955.5,-980.62 v1(2955.5,-946.62)
VCAP: C59.1 C60.2 U24.56 | length 324.2
  TOP Copper w20: v1(1714.66,-281.78) 1713.5,-280.62 C60.2@1713.5,-235.2 1800.93,-235.2 1817,-219.13 C59.1@1817,-205.62
  BOT Copper w10: U24.56@1714.66,-435.21 v1(1714.66,-281.78)